# Altium PCB Radxa CM5 IO Board v2200.PcbDoc (part 7 of 8)
Units mil, origin at the board's own origin, x right, y up, seen from the top; angles counter-clockwise.
Board outline 6299.61 x 3544.09 mil, 4 copper layers (Top, GND, Power, Bottom), stack 35.4 mil thick; 482 components, 404 nets, 1857 pads, 2731 vias.
Unrouted connection lines stored in the file: 1872.
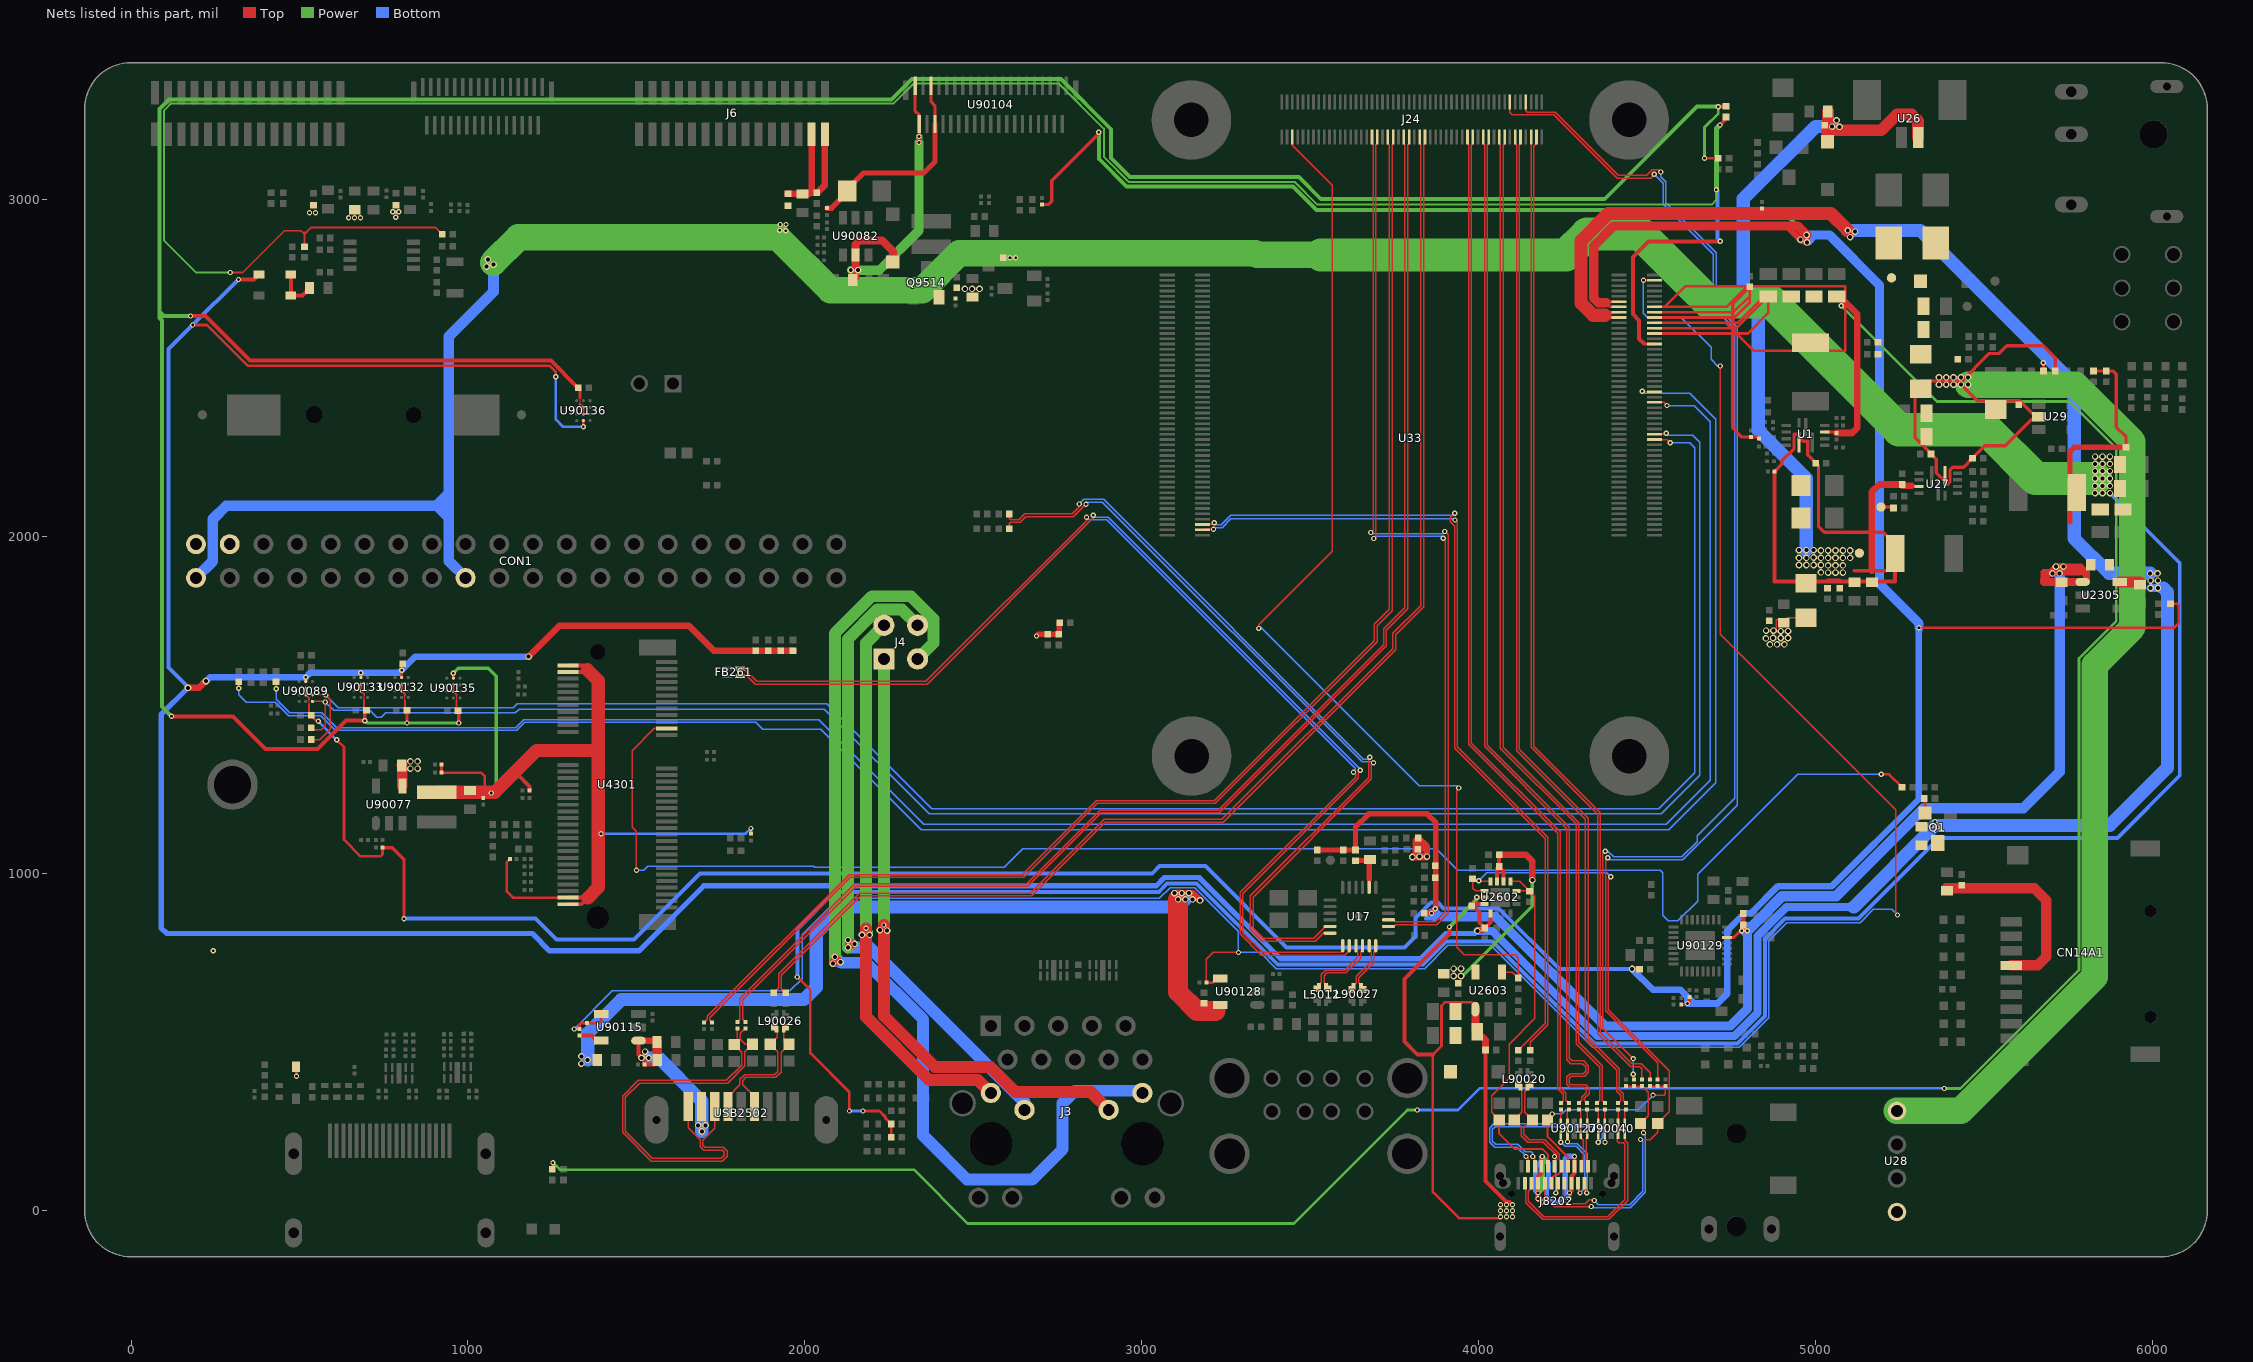
[diagram p8: the nets of this part, all layers, seen from the top]

## Via types
v1: diameter 15.75, hole 7.87, Top to Bottom, 2292 vias
v2: diameter 19.68, hole 11.81, Top to Bottom, 439 vias

## Nets (pads, with @x,y where several pads share a name; then routed paths per layer and width w, separated by ;. In a path a pad name is that pad's centre, name@x,y a point inside that pad or via, vN(x,y) a via of type N, cw(c..) or ccw(c..) an arc to the next point about the centre after c; other vN are vias at no path point) (continued)
SSTX_1N: C2280.2 D90035.1 USB2502.8 | length 1196.5
  Top w3.94: USB2502.8@1732.35,307.18 1732.35,243.11 1696.85,207.61 1696.85,191.93 1702.76,186.02 1757.87,186.02 1768.7,175.2 1768.7,159.45 1754.92,145.67 1544.23,145.67 1458.66,231.24 1458.66,337.66 1505.85,384.84 1766.99,384.84 1812.91,430.76 1812.91,468.98 D90035.1@1790.35,491.54 1790.35,496.06 1799.21,504.92 C2280.2@1799.21,539.37
SSTX_1P: C2281.2 D90037.1 USB2502.9 | length 1200.7
  Top w3.94: USB2502.9@1653.61,307.18 1653.61,244.03 1688.98,208.66 1688.98,188.67 1699.49,178.15 1754.61,178.15 1760.83,171.94 1760.83,162.71 1751.66,153.54 1547.49,153.54 1466.54,234.5 1466.54,334.39 1509.11,376.97 1770.25,376.97 1821.85,428.57 1821.85,469.88 D90037.1@1844.49,492.52 1823.43,492.52 1808.07,507.87 1808.07,524.61 C2281.2@1822.83,539.37
TP_INT_L: R95596.1 U33.37 U90089.C3 | length 5564.3
  Top w3.94: R95596.1@534.45,1396.65 560.04,1396.65 590.55,1427.17 590.55,1515.75 v1(577.76,1528.54) 576.77,1529.53 U90089.C3@538.39,1529.53 ; U33.37@4520.47,2286.81 4558.66,2286.81 v1(4567.91,2277.56)
  Bottom w3.94: v1(577.76,1528.54) 615.16,1491.14 1133.86,1491.14 1145.67,1502.95 2064.96,1502.95 2375.98,1191.93 4533.46,1191.93 4639.76,1298.23 4639.76,2262.8 4625,2277.56 v1(4567.91,2277.56)
TP_RST_L: R95597.1 U33.39 U90089.D3 | length 5584.4
  Top w3.94: R95597.1@534.45,1432.09 534.45,1425.2 563.98,1425.2 576.77,1437.99 v1(576.77,1507.87) 576.77,1509.84 U90089.D3@538.39,1509.84 ; U33.39@4520.47,2302.56 4553.54,2302.56 v1(4556.1,2305.12)
  Bottom w3.94: v1(576.77,1507.87) 601.38,1483.27 708.66,1483.27 729.33,1462.6 743.11,1462.6 755.91,1475.39 1140.38,1475.39 1152.19,1487.2 2057.09,1487.2 2368.11,1176.18 4541.34,1176.18 4655.51,1290.35 4655.51,2279.53 4634.84,2300.2 4561.02,2300.2 v1(4556.1,2305.12)
TR0: J3.11 J4.2 | length 1785.8
  Top w19.68: v2(2169.29,816.93) v1(2181.1,836.61) v2(2191.93,816.93) v2(2169.29,816.93)
  Top w35.43: v1(2181.1,836.61) 2181.1,573.82 2369.09,385.83 2513.36,385.83 J3.11@2551.39,347.8
  Power w19.68: v2(2169.29,816.93) v2(2191.93,816.93) 2191.93,825.79 v1(2181.1,836.61) v2(2169.29,816.93)
  Power w35.43: v1(2181.1,836.61) 2181.1,849.38 ; 2181.13,849.41 2181.13,1682.66 J4.2@2234.28,1735.81
TR1: J3.12 J4.1 | length 2078.4
  Top w19.68: v2(2127.95,779.53) v2(2147.64,790.35) v2(2127.95,801.18) v2(2127.95,779.53)
  Power w19.68: v2(2127.95,779.53) 2134.22,776.93 v2(2147.64,790.35) 2127.95,810.04 v2(2127.95,801.18)
  Power w35.43: v2(2127.95,779.53) v2(2127.95,801.18) ; v2@2127.95,810.04 2127.95,1695.46 2214.97,1782.48 2287.61,1782.48 J4.1@2334.28,1735.81
  Bottom w19.68: v2(2127.95,779.53) v2(2127.95,801.18) v2(2147.64,790.35)
  Bottom w35.43: v2(2127.95,779.53) 2192.71,779.53 2651.39,320.84 J3.12@2651.39,297.8
TR2: J3.13 J4.4 | length 1942.8
  Top w19.68: v2(2222.44,830.71) 2222.44,834.65 v1(2234.25,846.46) v2(2244.09,829.72)
  Top w35.43: v1(2234.25,846.46) 2234.25,576.35 2385.4,425.2 2550.15,425.2 2624.96,350.39 2848.79,350.39 J3.13@2901.39,297.8
  Power w19.68: v2(2222.44,830.71) v1(2234.25,846.46) v2(2244.09,829.72) v2(2222.44,830.71)
  Power w35.43: v1(2234.25,846.46) J4.4@2234.28,1635.81
TR3: J3.14 J4.3 | length 3231.5
  Top w19.68: v2(2082.68,731.3) v2(2088.58,751.97) v2(2105.31,736.22) v2(2082.68,731.3)
  Power w19.68: v2(2082.68,731.3) 2082.68,751.97 v2(2088.58,751.97) v2(2105.31,736.22) v2(2082.68,731.3)
  Power w35.43: v2(2088.58,751.97) 2088.58,1711.77 2198.66,1821.85 2314.22,1821.85 2380.93,1755.13 2380.93,1682.46 J4.3@2334.28,1635.81
  Bottom w19.68: v2(2088.58,751.97) 2082.68,746.06 v2(2082.68,731.3) v2(2105.31,736.22)
  Bottom w35.43: v2(2088.58,751.97) 2106.3,734.25 2182.31,734.25 2350.39,566.16 2350.39,221.46 2481.3,90.55 2674.21,90.55 2764.76,181.1 2764.76,317.91 2801.18,354.33 2994.86,354.33 J3.14@3001.39,347.8
TYPEC0_CC1: C2612.1 ESD2702.1 J8202.A5 U2602.10 U2602.11 | length 1103.4
  Top w3.94: ESD2702.1@4060.04,267.32 4037.48,289.88 4037.48,339.65 4089.57,391.73 4089.57,492.07 4166.34,568.84 4166.34,931.48 4151.19,946.62 C2612.1@4150.22,946.62 ; U2602.11@4093.14,975.56 4121.29,975.56 C2612.1@4150.22,946.62 ; U2602.10@4111.25,947.61 4150.22,947.61 C2612.1@4150.22,946.62
  Top w5.91: ESD2702.1@4060.04,267.32 4060.04,227.36 4105.31,182.09 4187.55,182.09 4205.26,164.37 J8202.A5@4205.26,130.51
TYPEC0_CC2: C2613.1 ESD2701.1 J8202.B5 U2602.1 U2602.14 | length 1917.8
  Top w3.94: v1(3999.02,977.36) v1@3999.02,975.56 ; U2602.1@4015.97,947.61 3990.39,947.61 3982.28,955.71 3982.28,981.69 C2613.1@3980.93,983.04 3980.93,978.88 3984.25,975.56 v1@3999.02,975.56 ; U2602.14@4034.08,975.56 v1@3999.02,975.56 ; J8202.B5@4254.92,79.33 J8202.B5@4254.48,79.33 4250.98,75.84 4250.98,28.1 4260.38,18.7 4314.96,18.7 4326.77,30.51 4335.63,30.51 v1(4342.52,28.54) ; v1(4390.75,989.17) 4391.66,988.26 4383.86,980.45 4383.86,595.47 4564.96,414.37 4564.96,291.93 ESD2701.1@4530.51,257.48 4530.51,231.3 4508.86,209.65 v1(4479.33,209.65)
  Bottom w3.94: v1(3999.02,977.36) 4022.64,1000.98 4378.94,1000.98 v1(4390.75,989.17) ; v1(4342.52,28.54) 4354.33,16.73 4446.85,16.73 4486.22,56.1 4486.22,202.76 v1(4479.33,209.65)
TYPEC0_OTG_DM: R91188.1 U33.103 | length 2475.8
  Top w3.94: U33.103@3179.13,2019.09 3179.13,2020.3 v1(3212.38,2020.3) ; v1(3929.13,2048.23) 3936.02,2041.34 3936.02,1375 4204.92,1106.1 4204.92,550.2 4152.56,497.83 R91188.1@4152.56,474.41
  Bottom w3.94: v1(3212.38,2020.3) 3217.67,2025.59 3237.65,2025.59 3264.22,2052.17 3925.2,2052.17 v1(3929.13,2048.23)
TYPEC0_OTG_DP: R91189.1 U33.105 | length 2517.3
  Top w3.94: U33.105@3179.13,2034.84 3208.65,2034.84 3214.56,2040.75 v1(3214.56,2039.95) ; v1(3928.15,2067.91) 3915.35,2055.12 3915.35,2042.32 3928.15,2029.53 3928.15,1371.06 4197.05,1102.17 4197.05,554.33 R91189.1@4117.13,474.41
  Bottom w3.94: v1(3214.56,2039.95) 3220.45,2034.05 3234.97,2034.05 3262.93,2062.01 3922.24,2062.01 v1(3928.15,2067.91)
TYPEC0_SBU1: C2010.1 J24.3 | length 2959.2
  Top w3.94: J24.3@4170.67,3184.65 4170.67,3165.35 4162.8,3157.48 4162.8,1376.97 4360.24,1179.53 4360.24,527.56 4453.74,434.06 4481.3,434.06 4507.87,407.48 C2010.1@4507.87,387.8
TYPEC0_SBU1_DC: J24.8 R2004.1 | length 3668.1
  Top w3.94: J24.8@4139.17,3288.58 4139.17,3262.8 4143.11,3258.86 4226.38,3258.86 4413.39,3071.85 4498.03,3071.85 4513.78,3087.6 4532.48,3087.6 v1(4539.37,3080.71) ; v1(4381.89,1046.26) 4381.4,1046.75 4375.98,1041.34 4375.98,591.54 4530.51,437.01 R2004.1@4530.51,387.8
  Bottom w3.94: v1(4381.89,1046.26) 4382.38,1046.75 4388.78,1040.35 4605.43,1040.35 4766.73,1201.66 4766.73,2620.08 4703.74,2683.07 4703.74,2840.55 4555.12,2989.17 4555.12,3051.18 4539.37,3066.93 v1(4539.37,3080.71)
TYPEC0_SBU2: C2011.1 J24.5 | length 2949
  Top w3.94: J24.5@4154.92,3184.65 4154.92,1373.03 4352.36,1175.59 4352.36,523.62 4449.8,426.18 4477.36,426.18 4483.27,420.28 C2011.1@4483.27,387.8
TYPEC0_SBU2_DC: J24.14 R2007.1 | length 3685.5
  Top w3.94: J24.14@4091.93,3288.58 4091.93,3258.46 4099.41,3250.98 4222.44,3250.98 4410.43,3062.99 4509.84,3062.99 v1(4520.67,3073.82) ; v1(4375,1064.96) 4368.11,1058.07 4368.11,539.37 v1(4457.68,449.8) ; v1(4457.68,403.54) 4459.65,401.57 R2007.1@4459.65,387.8
  Bottom w3.94: v1(4375,1064.96) 4382.87,1064.96 4399.61,1048.23 4602.16,1048.23 4647.64,1093.7 4647.64,1111.65 4758.86,1222.87 4758.86,2616.14 4695.87,2679.13 4695.87,2836.61 4547.24,2985.24 4547.24,3047.24 v1(4520.67,3073.82) ; v1(4457.68,403.54) v1(4457.68,449.8)
TYPEC0_SSRX1N: J24.11 R2013.1 | length 2999.3
  Top w3.94: J24.11@4107.68,3184.65 4107.68,3165.35 4112.2,3160.83 4112.2,1363.19 4315.94,1159.45 4315.94,508.19 4408.46,415.67 4408.46,353.35 4420.28,341.54 4420.28,325.4 R2013.1@4412.79,317.91
TYPEC0_SSRX1P: J24.9 R2015.1 | length 3000
  Top w3.94: J24.9@4123.43,3184.65 4124.02,3184.65 4124.02,3165.35 4120.08,3161.42 4120.08,1367.13 4323.82,1163.39 4323.82,511.45 4416.34,418.93 4416.34,357.28 4428.15,345.47 4428.15,326.17 R2015.1@4436.41,317.91
TYPEC0_SSRX2N: J24.23 R2016.1 | length 3117.9
  Top w3.94: J24.23@4013.19,3184.65 4012.8,3184.65 4012.8,3165.35 4016.73,3161.42 4016.73,1376.38 4260.83,1132.28 4260.83,446.85 4272.64,435.04 4307.09,435.04 4316.93,425.2 4316.93,412.4 4310.04,405.51 4270.67,405.51 4260.83,395.67 4260.83,373.17 4269.83,364.17 4312.99,364.17 4318.9,358.27 4318.9,348.43 4305.12,334.65 4305.12,325.77 R2016.1@4297.25,317.9
TYPEC0_SSRX2P: J24.21 R2017.1 | length 3117.3
  Top w3.94: J24.21@4028.94,3184.65 4028.94,3164.37 4024.61,3160.04 4024.61,1380.31 4268.7,1136.22 4268.7,450.79 4276.57,442.91 4310.35,442.91 4324.8,428.46 4324.8,409.14 4313.3,397.64 4274.61,397.64 4268.7,391.73 4268.7,376.43 4273.09,372.05 4316.93,372.05 4326.77,362.2 4326.77,345.16 4312.99,331.38 4312.99,325.78 R2017.1@4320.87,317.9
TYPEC0_SSTX1N: C2013.1 J24.17 | length 2994.2
  Top w3.94: J24.17@4060.43,3184.65 4060.04,3184.65 4060.04,3164.37 4063.98,3160.43 4063.98,1370.47 4288.39,1146.06 4288.39,494.09 4358.27,424.21 4358.27,326.38 C2013.1@4349.79,317.91
TYPEC0_SSTX1P: C2014.1 J24.15 | length 2993.4
  Top w3.94: J24.15@4076.18,3184.65 4076.18,3164.37 4071.85,3160.04 4071.85,1374.41 4296.26,1150 4296.26,498.03 4366.14,428.15 4366.14,325.18 C2014.1@4373.42,317.91
TYPEC0_SSTX2N: C2019.1 J24.29 | length 2987.8
  Top w3.94: J24.29@3965.94,3184.65 3965.55,3184.65 3965.55,3165.35 3969.49,3161.42 3969.49,1382.28 4233.27,1118.5 4233.27,360.24 4250,343.5 4250,324.78 C2019.1@4243.12,317.9
TYPEC0_SSTX2P: C2020.1 J24.27 | length 2988.4
  Top w3.94: J24.27@3981.69,3184.65 3981.69,3164.37 3977.36,3160.04 3977.36,1386.22 4241.14,1122.44 4241.14,364.17 4257.87,347.44 4257.87,326.76 C2020.1@4266.74,317.9
TYPEC5V_PWREN_H: J24.95 R2611.1 U2603.4 | length 3178.5
  Top w3.94: v1(3346.46,1726.38) 3346.46,1737.2 3564.96,1955.71 3564.96,3042.04 3446.26,3160.74 J24.95@3446.26,3184.65 ; v1(3939.96,1252.95) 3933.8,1246.79 3933.8,780.57 3956.63,757.74 4107.33,757.74 4117.13,747.94 R2611.1@4117.13,688.98 4099.41,706.69 U2603.4@4067.91,706.69
  Bottom w3.94: v1(3346.46,1726.38) 3350.89,1730.81 3822.83,1258.86 3934.06,1258.86 v1(3939.96,1252.95)
TYPEC_SBU1: C2010.2 ESD2703.1 J8202.A8 R2004.2 R2005.1 | length 616.9
  Top w3.94: ESD2703.1@4203.74,267.32 4203.74,269.05 4202.01,269.05 4217.95,285 v1(4217.52,285.43) ; C2010.2@4507.87,368.11 R2004.2@4530.51,368.11 R2005.1@4553.15,368.11 4553.15,345.47 4549.21,341.54 v1(4516.73,341.54)
  Top w5.91: ESD2703.1@4203.74,267.32 4203.74,217.52 4264.32,156.94 J8202.A8@4264.32,130.51
  Bottom w3.94: v1(4217.52,285.43) 4246.06,285.43 4258.86,298.23 4473.43,298.23 v1(4516.73,341.54)
TYPEC_SBU2: C2011.2 ESD2704.1 J8202.B8 R2006.1 R2007.2 | length 760.7
  Top w3.94: J8202.B8@4195.42,79.33 4194.88,79.33 4194.88,40.35 4224.41,10.83 v1(4333.66,10.83) ; R2006.1@4437.01,368.11 R2007.2@4459.65,368.11 C2011.2@4483.27,368.11 4501.89,349.49 4501.89,280.04 ESD2704.1@4479.33,257.48 4488.19,257.48 v1(4488.19,229.33)
  Bottom w3.94: v1(4333.66,10.83) 4336.61,7.87 4449.13,7.87 4494.09,52.84 4494.09,223.43 v1(4488.19,229.33)
TYPEC_SSRX1N: J8202.B10 R2013.2 U90040.4 U90040.7 | length 675.2
  Top w3.94: J8202.B10@4156.05,79.33 4156.05,65.5 4146.65,56.1 4146.65,25.9 4192.24,-19.69 4381.89,-19.69 4433.07,31.5 4433.07,194.88 4428.15,199.8 4415.35,199.8 4410.43,204.72 4410.43,212.6 4412.78,214.95 U90040.4@4412.78,224.9 ; U90040.4@4412.78,218.12 U90040.4@4412.78,224.9 ; R2013.2@4412.79,298.22 4412.79,282.48 U90040.7@4412.78,259.34 U90040.4@4412.78,224.9
TYPEC_SSRX1P: J8202.B11 R2015.2 U90040.5 U90040.6 | length 679.3
  Top w3.94: J8202.B11@4136.36,79.33 4136.36,66.39 4138.78,63.98 4138.78,22.64 4188.98,-27.56 4385.83,-27.56 4440.94,27.56 4440.94,198.82 4432.47,207.29 U90040.5@4432.47,224.9 U90040.6@4432.47,259.34 4432.47,294.29 R2015.2@4436.41,298.22
TYPEC_SSRX2N: J8202.A10 R2016.2 U90127.4 U90127.7 | length 175.6
  Top w3.94: R2016.2@4297.25,298.21 4302.17,293.3 U90127.7@4302.17,259.33 U90127.4@4302.17,224.89 4302.17,215.55 4310.04,207.68 4310.04,151.57 4303.69,145.22 J8202.A10@4303.69,130.51
TYPEC_SSRX2P: J8202.A11 R2017.2 U90127.5 U90127.6 | length 172
  Top w3.94: R2017.2@4320.87,298.21 4321.86,297.23 U90127.6@4321.86,259.33 U90127.5@4321.86,224.89 4321.86,214.57 4317.91,210.62 4317.91,151.57 4323.37,146.12 J8202.A11@4323.37,130.51
TYPEC_SSTX1N: C2013.2 J8202.A3 U90040.1 U90040.10 | length 681.5
  Top w3.94: v1(4159.45,159.45) 4165.35,153.54 4165.35,130.51 J8202.A3@4165.89,130.51 ; C2013.2@4349.79,298.22 4353.73,294.29 U90040.10@4353.73,259.34 U90040.1@4353.73,224.9 4354.33,224.9 v1(4354.33,201.77)
  Bottom w3.94: v1(4159.45,159.45) 4159.45,168.4 4154.62,173.23 4137.12,173.23 4115.47,194.88 4050.2,194.88 4040.05,205.03 4040.05,239.85 4048.23,248.03 4352.36,248.03 4366.14,234.25 4366.14,213.58 v1(4354.33,201.77)
TYPEC_SSTX1P: C2014.2 J8202.A2 U90040.2 U90040.9 | length 687.7
  Top w3.94: v1(4139.76,159.45) 4145.67,153.54 4145.67,130.51 J8202.A2@4146.21,130.51 ; C2014.2@4373.42,298.22 4373.42,282.48 U90040.9@4373.42,259.34 U90040.2@4373.42,224.9 4374.02,224.9 v1(4374.02,201.77)
  Bottom w3.94: v1(4139.76,159.45) 4112.2,187.01 4046.26,187.01 4031.5,201.77 4031.5,243.11 4044.29,255.91 4356.3,255.91 4374.02,238.19 v1(4374.02,201.77)
TYPEC_SSTX2N: C2019.2 J8202.B3 U90127.1 U90127.10 | length 332.2
  Top w3.94: v1(4243.11,201.77) U90127.1@4243.12,224.89 U90127.10@4243.12,259.33 C2019.2@4243.12,298.21 ; J8202.B3@4293.85,79.33 4294.29,79.33 4294.29,57.09 v1(4300.2,51.18)
  Bottom w3.94: v1(4243.11,201.77) 4255.91,188.98 4288.39,188.98 4313.98,163.39 4313.98,64.96 v1(4300.2,51.18)
TYPEC_SSTX2P: C2020.2 J8202.B2 U90127.2 U90127.9 | length 318.8
  Top w3.94: v1(4262.8,202.76) U90127.2@4262.81,224.89 U90127.9@4262.81,259.33 4262.81,294.28 C2020.2@4266.74,298.21 ; J8202.B2@4313.53,79.33 4313.98,79.33 4313.98,57.09 v1(4319.88,51.18)
  Bottom w3.94: v1(4262.8,202.76) 4268.7,196.85 4292.32,196.85 4321.85,167.32 4321.85,53.15 v1(4319.88,51.18)
UART2_RX_M0: R168.2 U33.51 | length 5790.9
  Top w3.94: R168.2@430.12,1567.91 431.1,1567.91 v1(431.1,1547.24) ; U33.51@4520.47,2397.05 4548.82,2397.05 v1(4558.07,2387.8)
  Bottom w3.94: v1(431.1,1547.24) 431.1,1515.75 471.46,1475.39 566.62,1475.39 609.93,1432.09 1141.62,1432.09 1165.24,1455.71 2041.34,1455.71 2352.36,1144.68 4556.16,1144.68 4687.01,1275.53 4687.01,2339.57 4638.78,2387.8 v1(4558.07,2387.8)
UART2_TX_M0: R167.2 U33.55 | length 6033.8
  Top w3.94: v1(319.88,1549.21) R167.2@319.88,1567.91 ; v1(4484.25,2430.12) 4484.25,2428.54 U33.55@4520.47,2428.54
  Bottom w3.94: v1(319.88,1549.21) 319.88,1529.53 342.52,1506.89 428.15,1506.89 467.52,1467.52 563.36,1467.52 606.67,1424.21 1144.88,1424.21 1168.5,1447.83 1853.35,1447.83 1874.02,1427.17 2046.26,1427.17 2344.49,1128.94 4562.68,1128.94 4702.76,1269.01 4702.76,2347.44 4625.98,2424.21 4490.16,2424.21 v1(4484.25,2430.12)
USB1_DM: L90027.2 R249.2 U17.11 | length 156.9
  Top w3.94: R249.2@3622.39,654.78 3622.63,654.78 3622.63,654.53 3628.29,660.19 L90027.2@3628.29,663.64 3628.29,667.32 3635.83,674.86 3635.83,693.9 3680.12,738.19 3680.12,766.73 3674.4,772.45 U17.11@3674.4,784.74
USB1_DP: L90027.1 R250.2 U17.12 | length 156.5
  Top w3.94: R250.2@3655.85,654.78 3655.61,654.78 3655.61,654.53 3649.95,660.19 L90027.1@3649.95,663.64 3649.95,669.29 3643.7,675.54 3643.7,689.96 3687.99,734.25 3687.99,765.75 3694.09,771.84 U17.12@3694.09,784.74
USB2_DM: L5012.4 R253.1 U17.9 | length 215.5
  Top w3.94: R253.1@3519,656.68 3519.74,656.68 3519.74,655.94 3524.91,661.11 L5012.4@3524.91,663.57 3524.91,668.31 3532.48,675.88 3532.48,699.5 3545.58,712.6 3601.38,712.6 3640.75,751.97 3640.75,765.75 3635.03,771.46 U17.9@3635.03,784.74
USB2_DP: L5012.3 R254.1 U17.10 | length 215.4
  Top w3.94: R254.1@3552.47,656.68 3551.73,656.68 3551.73,655.94 3546.56,661.11 L5012.3@3546.56,663.57 3546.56,668.31 3540.35,674.51 3540.35,696.24 3548.84,704.72 3605.31,704.72 3648.62,748.03 3648.62,766.73 3654.72,772.83 U17.10@3654.72,784.74
USB3_DM: FB261.1 R95142.2 U17.7 | length 3357.2
  Top w3.94: FB261.1@1812.01,1585.63 1827.76,1585.63 1852.36,1561.02 2362.2,1561.02 2855.31,2054.13 v1(2855.31,2062.01) ; U17.7@3595.66,784.74 3595.66,769.87 3590.55,764.76 3358.27,764.76 3299.21,823.82 3299.21,938.98 3641.73,1281.5 3641.73,1299.21 v1(3647.64,1305.12)
  Top w7.87: R95142.2@1798.72,1585.14 1812.01,1585.14 FB261.1@1812.01,1585.63
  Bottom w3.94: v1(2855.31,2062.01) 2855.31,2056.1 2899.61,2056.1 3650.18,1305.53 v1(3647.64,1305.12)
USB3_DP: FB261.2 R95141.2 U17.8 | length 3377.4
  Top w3.94: FB261.2@1812.01,1607.28 1817.91,1607.28 1856.3,1568.9 2358.27,1568.9 2835.63,2046.26 v1(2835.63,2056.1) ; U17.8@3615.35,784.74 3615.35,769.98 3602.26,756.89 3354.33,756.89 3291.34,819.88 3291.34,942.91 3633.86,1285.43 3633.86,1293.31 v1(3627.95,1299.21)
  Top w7.87: R95141.2@1798.72,1607.78 1812.01,1607.78 FB261.2@1812.01,1607.28
  Bottom w3.94: v1(2835.63,2056.1) 2843.5,2048.23 2895.67,2048.23 3632.87,1311.02 3632.87,1299.21 v1(3627.95,1299.21)
USB4_DM: R95611.2 U17.5 | length 2342
  Top w3.94: R95611.2@2606.3,2022.64 2606.3,2037.4 2610.24,2041.34 2638.17,2041.34 2654.71,2057.87 2796.46,2057.87 v1(2833.86,2095.28) ; U17.5@3558.26,841.83 3546.06,841.83 3510.53,806.3 3360.35,806.3 3329.72,836.92 3329.72,929.18 3681.1,1280.56 3681.1,1322.05 v1(3687.01,1327.95)
  Bottom w3.94: v1(2833.86,2095.28) 2833.86,2101.18 2882.68,2101.18 3653.54,1330.31 3687.01,1330.31 v1(3687.01,1327.95)
USB4_DP: R95610.1 U17.6 | length 2354.2
  Top w3.94: R95610.1@2606.3,2065.94 2606.3,2053.15 2610.24,2049.21 2634.84,2049.21 2651.57,2065.94 2793.11,2065.94 2814.17,2087.01 v1(2814.17,2095.67) ; U17.6@3558.26,822.14 3537.89,822.14 3514.17,798.43 3357.09,798.43 3321.85,833.66 3321.85,932.44 3673.23,1283.82 3673.23,1341.73 v1(3675.98,1344.49)
  Bottom w3.94: v1(2814.17,2095.67) 2827.56,2109.06 2886.17,2109.06 3657.03,1338.19 3669.69,1338.19 v1(3675.98,1344.49)
USB20_HOST0_DM: J24.65 U17.14 | length 2739.4
  Top w3.94: v1(3679.13,2010.83) 3686.02,2017.72 3686.02,3161.42 3682.09,3165.35 3682.09,3184.65 J24.65@3682.48,3184.65 ; U17.14@3731.49,841.83 3747.05,841.83 3752.66,847.44 3874.71,847.44 3908.46,881.2 3908.46,2003.94 v1(3898.62,2013.78)
  Bottom w3.94: v1(3679.13,2010.83) 3676.18,2010.83 3676.18,2007.87 3892.72,2007.87 v1(3898.62,2013.78)
USB20_HOST0_DP: J24.63 U17.15 | length 2702.6
  Top w3.94: v1(3687.99,1993.11) 3693.9,1999.02 3693.9,3162.4 3698.23,3166.73 J24.63@3698.23,3184.65 ; U17.15@3731.49,861.51 3747.05,861.51 3753.25,855.31 3870.77,855.31 3900.59,885.14 3900.59,1987.2 v1(3893.7,1994.09)
  Bottom w3.94: v1(3687.99,1993.11) 3694.88,2000 3887.8,2000 v1(3893.7,1994.09)
USB20_HOST1_DM: J24.47 R95552.1 | length 3839.7
  Top w3.94: R95552.1@1907.48,644.68 1922.24,659.45 1922.24,701.77 2161.42,940.94 2669.25,940.94 2887.77,1159.47 3237.48,1159.47 3744.76,1666.75 3744.76,1711.3 3827.76,1794.29 3827.76,3162.4 3823.82,3166.34 3823.82,3184.65 J24.47@3824.21,3184.65
USB20_HOST1_DP: J24.45 R95551.1 | length 3838.3
  Top w3.94: R95551.1@1942.91,644.68 1930.12,657.48 1930.12,697.83 2165.35,933.07 2672.59,933.07 2891.09,1151.57 3240.72,1151.57 3752.64,1663.49 3752.64,1707.36 3835.63,1790.35 3835.63,3161.42 3839.96,3165.75 J24.45@3839.96,3184.65
USB30_2_SSRXN: J24.59 R91181.1 | length 3978.6
  Top w3.94: R91181.1@1700.79,557.09 1709.65,565.94 1709.65,574.8 2130.91,996.06 2645.24,996.06 2863.94,1214.77 3214.83,1214.77 3689.64,1689.58 3689.64,1738.86 3734.25,1783.46 3734.25,3160.43 3729.72,3164.96 J24.59@3729.72,3184.65
USB30_2_SSRXP: J24.57 R91182.1 | length 3977.6
  Top w3.94: R91182.1@1724.48,557.18 1717.52,564.13 1717.52,570.87 2134.84,988.19 2648.54,988.19 2867.24,1206.89 3218.09,1206.89 3697.52,1686.32 3697.52,1734.92 3742.13,1779.53 3742.13,3161.42 3746.06,3165.35 3746.06,3184.65 J24.57@3745.47,3184.65
USB30_2_SSTXN: C2280.1 J24.53 | length 3952
  Top w3.94: C2280.1@1799.21,559.06 1807.09,566.93 1807.09,627.95 2147.64,968.5 2657.71,968.5 2876.38,1187.17 3226.21,1187.17 3717.2,1678.17 3717.2,1725.08 3780.51,1788.39 3780.51,3161.42 3776.57,3165.35 3776.57,3184.65 J24.53@3776.97,3184.65
USB30_2_SSTXP: C2281.1 J24.51 | length 3951.4
  Top w3.94: C2281.1@1822.83,559.06 1814.96,566.93 1814.96,624.02 2151.57,960.63 2660.98,960.63 2879.63,1179.28 3229.46,1179.28 3725.08,1674.91 3725.08,1721.14 3788.39,1784.45 3788.39,3161.42 3792.72,3165.75 J24.51@3792.72,3184.65
USB_HOST_PWREN_H: R91375.2 R95555.1 R95579.1 U33.97 U90115.4 U90128.4 | length 7403.6
  Top w3.94: v1(1314.96,537.4) R91375.2@1330.71,537.4 ; R95555.1@3190.94,675.2 3190.94,744.09 3211.61,764.76 v1(3286.42,764.76) ; v1(4488.19,2759.84) 4520.47,2759.84 U33.97@4520.47,2759.25 ; v1(4716.54,2504.92) 4716.54,1708.66 5236.22,1188.98 5236.22,881.89 v1(5242.13,875.98)
  Top w7.87: R91375.2@1330.71,537.4 1330.71,549.21 1336.61,555.12 R95579.1@1353.35,555.12 1386.81,555.12 1395.67,563.98 U90115.4@1395.67,581.69 ; R95555.1@3190.94,675.2 3209.64,675.2 3214.57,680.12 3228.2,687.99 U90128.4@3232.28,687.99
  Bottom w3.94: v1(1314.96,537.4) 1428.15,650.59 1955.51,650.59 1992.13,687.21 1992.13,816.7 2100.62,925.2 3052.03,925.2 3083.52,956.69 3157.11,956.69 3286.42,827.39 v1(3286.42,764.76) 3350.42,764.76 3398.65,716.54 3839,716.54 3907.9,785.43 4035.35,785.43 4337.52,483.27 4772.16,483.27 4860.24,571.35 4860.24,799.86 4913.72,853.35 5130.88,853.35 5170.25,892.72 5225.39,892.72 v1(5242.13,875.98) ; v1(4488.19,2759.84) 4488.19,2661.42 4500.98,2648.62 4600.39,2648.62 4688.98,2560.04 4688.98,2524.61 4708.66,2504.92 v1(4716.54,2504.92)